# Allegro board REF_038HX-888005K4R-A100.brd (continued)
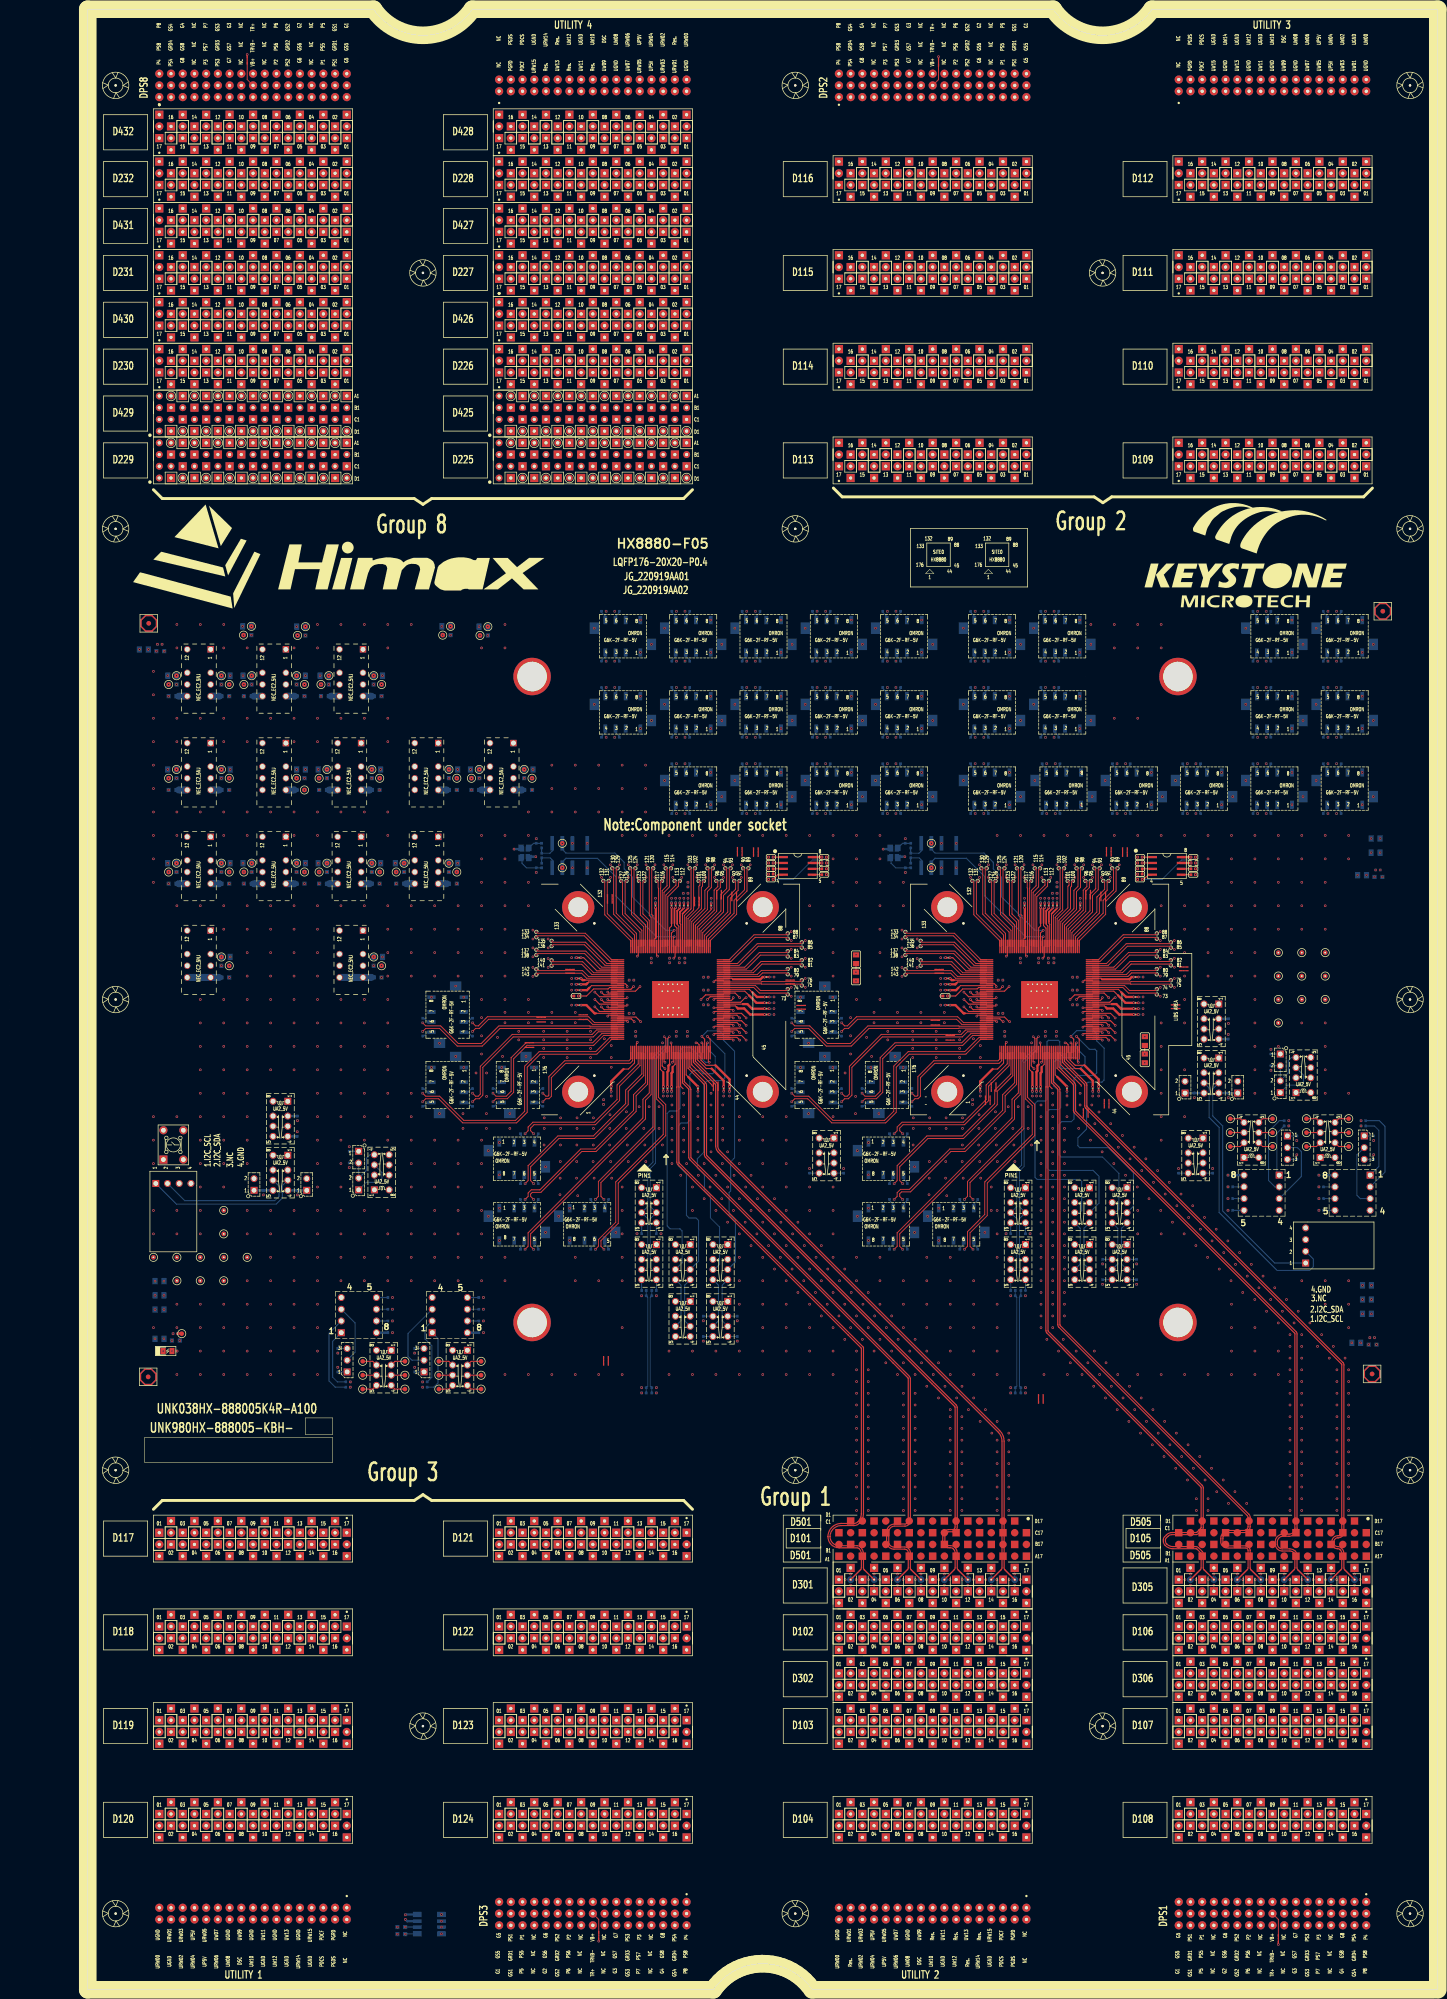
[diagram p0: board, top side]
## Nets (continued)
D30105: D301.05
D30106: D301.06 SITE1.29(RXD1P)
D30107: D301.07
D30108: D301.08 SITE1.30(RXD1N)
D30109: D301.09
D30110: D301.10 SITE1.32(RXD2P)
D30111: D301.11
D30112: D301.12 SITE1.33(RXD2N)
D30113: D301.13
D30114: D301.14 SITE1.35(RXD3P)
D30115: D301.15
D30116: D301.16 SITE1.36(RXD3N)
D30201: D302.01
D30202: D302.02
D30203: D302.03
D30204: D302.04
D30205: D302.05
D30206: D302.06
D30207: D302.07
D30208: D302.08
D30209: D302.09
D30210: D302.10
D30211: D302.11
D30212: D302.12
D30213: D302.13
D30214: D302.14
D30215: D302.15
D30216: D302.16
D30501: D305.01
D30502: D305.02 SITE2.26(RXD0P)
D30503: D305.03
D30504: D305.04 SITE2.27(RXD0N)
D30505: D305.05
D30506: D305.06 SITE2.29(RXD1P)
D30507: D305.07
D30508: D305.08 SITE2.30(RXD1N)
D30509: D305.09
D30510: D305.10 SITE2.32(RXD2P)
D30511: D305.11
D30512: D305.12 SITE2.33(RXD2N)
D30513: D305.13
D30514: D305.14 SITE2.35(RXD3P)
D30515: D305.15
D30516: D305.16 SITE2.36(RXD3N)
D30601: D306.01
D30602: D306.02
D30603: D306.03
D30604: D306.04
D30605: D306.05
D30606: D306.06
D30607: D306.07
D30608: D306.08
D30609: D306.09
D30610: D306.10
D30611: D306.11
D30612: D306.12
D30613: D306.13
D30614: D306.14
D30615: D306.15
D30616: D306.16
DPS1_C1: DPS1.C01
DPS1_C5: DPS1.C05
DPS1_C11: DPS1.C11
DPS1_C15: DPS1.C15
DPS2_C1: DPS2.C01
DPS2_C5: DPS2.C05
DPS2_C11: DPS2.C11
DPS2_C15: DPS2.C15
DPS3_C1: DPS3.C01
DPS3_C5: DPS3.C05
DPS3_C11: DPS3.C11
DPS3_C15: DPS3.C15
DPS8_C1: DPS8.C01
DPS8_C5: DPS8.C05
DPS8_C11: DPS8.C11
DPS8_C15: DPS8.C15
MSDPS1_1F: DPS1.C03
MSDPS1_1GRD: DPS1.B02
MSDPS1_1GS: DPS1.A02
MSDPS1_1S: DPS1.C02
MSDPS1_2F: DPS1.C07
MSDPS1_2GRD: DPS1.B06
MSDPS1_2GS: DPS1.A06
MSDPS1_2S: DPS1.C06
MSDPS1_3F: DPS1.C13
MSDPS1_3GRD: DPS1.B12
MSDPS1_3GS: DPS1.A12
MSDPS1_3S: DPS1.C12
MSDPS1_4F: DPS1.C17
MSDPS1_4GRD: DPS1.B16
MSDPS1_4GS: DPS1.A16
MSDPS1_4S: DPS1.C16
MSDPS1_5F: DPS1.A03
MSDPS1_5GS: DPS1.B01
MSDPS1_5S: DPS1.B03
MSDPS1_6F: DPS1.A07
MSDPS1_6GS: DPS1.B05
MSDPS1_6S: DPS1.B07
MSDPS1_7F: DPS1.A13
MSDPS1_7GS: DPS1.B11
MSDPS1_7S: DPS1.B13
MSDPS1_8F: DPS1.A17
MSDPS1_8GS: DPS1.B15
MSDPS1_8S: DPS1.B17
MSDPS1_TR+: DPS1.A09
MSDPS1_TRVB-: DPS1.B09 SB1.2
MSDPS1_VB+: DPS1.C09
MSDPS2_1F: DPS2.C03
MSDPS2_1GRD: DPS2.B02
MSDPS2_1GS: DPS2.A02
MSDPS2_1S: DPS2.C02
MSDPS2_2F: DPS2.C07
MSDPS2_2GRD: DPS2.B06
MSDPS2_2GS: DPS2.A06
MSDPS2_2S: DPS2.C06
MSDPS2_3F: DPS2.C13
MSDPS2_3GRD: DPS2.B12
MSDPS2_3GS: DPS2.A12
MSDPS2_3S: DPS2.C12
MSDPS2_4F: DPS2.C17
MSDPS2_4GRD: DPS2.B16
MSDPS2_4GS: DPS2.A16
MSDPS2_4S: DPS2.C16
MSDPS2_5F: DPS2.A03
MSDPS2_5GS: DPS2.B01
MSDPS2_5S: DPS2.B03
MSDPS2_6F: DPS2.A07
MSDPS2_6GS: DPS2.B05
MSDPS2_6S: DPS2.B07
MSDPS2_7F: DPS2.A13
MSDPS2_7GS: DPS2.B11
MSDPS2_7S: DPS2.B13
MSDPS2_8F: DPS2.A17
MSDPS2_8GS: DPS2.B15
MSDPS2_8S: DPS2.B17
MSDPS2_TR+: DPS2.A09
MSDPS2_TRVB-: DPS2.B09 SB2.2
MSDPS2_VB+: DPS2.C09
MSDPS3_1F: DPS3.C03
MSDPS3_1GRD: DPS3.B02
MSDPS3_1GS: DPS3.A02
MSDPS3_1S: DPS3.C02
MSDPS3_2F: DPS3.C07
MSDPS3_2GRD: DPS3.B06
MSDPS3_2GS: DPS3.A06
MSDPS3_2S: DPS3.C06
MSDPS3_3F: DPS3.C13
MSDPS3_3GRD: DPS3.B12
MSDPS3_3GS: DPS3.A12
MSDPS3_3S: DPS3.C12
MSDPS3_4F: DPS3.C17
MSDPS3_4GRD: DPS3.B16
MSDPS3_4GS: DPS3.A16
MSDPS3_4S: DPS3.C16
MSDPS3_5F: DPS3.A03
MSDPS3_5GS: DPS3.B01
MSDPS3_5S: DPS3.B03
MSDPS3_6F: DPS3.A07
MSDPS3_6GS: DPS3.B05
MSDPS3_6S: DPS3.B07
MSDPS3_7F: DPS3.A13
MSDPS3_7GS: DPS3.B11
MSDPS3_7S: DPS3.B13
MSDPS3_8F: DPS3.A17
MSDPS3_8GS: DPS3.B15
MSDPS3_8S: DPS3.B17
MSDPS3_TR+: DPS3.A09
MSDPS3_TRVB-: DPS3.B09 SB3.2
MSDPS3_VB+: DPS3.C09
MSDPS8_1F: DPS8.C03
MSDPS8_1GRD: DPS8.B02
MSDPS8_1GS: DPS8.A02
MSDPS8_1S: DPS8.C02
MSDPS8_2F: DPS8.C07
MSDPS8_2GRD: DPS8.B06
MSDPS8_2GS: DPS8.A06
MSDPS8_2S: DPS8.C06
MSDPS8_3F: DPS8.C13
MSDPS8_3GRD: DPS8.B12
MSDPS8_3GS: DPS8.A12
MSDPS8_3S: DPS8.C12
MSDPS8_4F: DPS8.C17
MSDPS8_4GRD: DPS8.B16
MSDPS8_4GS: DPS8.A16
MSDPS8_4S: DPS8.C16
MSDPS8_5F: DPS8.A03
MSDPS8_5GS: DPS8.B01
MSDPS8_5S: DPS8.B03
MSDPS8_6F: DPS8.A07
MSDPS8_6GS: DPS8.B05
MSDPS8_6S: DPS8.B07
MSDPS8_7F: DPS8.A13
MSDPS8_7GS: DPS8.B11
MSDPS8_7S: DPS8.B13
MSDPS8_8F: DPS8.A17
MSDPS8_8GS: DPS8.B15
MSDPS8_8S: DPS8.B17
MSDPS8_TR+: DPS8.A09
MSDPS8_TRVB-: DPS8.B09 SB8.2
MSDPS8_VB+: DPS8.C09
S1_1AUX+: K9.4 R129.1
S1_1AUX-: K9.5 R130.1
S1_1SPI_CSN: K15.5 K19.6
S1_1SPI_SCK: K15.4 K19.3
S1_1SPI_SDI: K14.5 K20.6
S1_1SPI_SDO: K14.4 K20.3
S1_2AUX+: C3.1 R1.2 R3.1 R129.2
S1_2AUX-: C4.1 R2.2 R4.2 R130.2
S1_AUXCH+: K9.3 K12.3 SITE1.21(AUXCHP)
S1_AUXCH-: K9.6 K12.6 SITE1.20(AUXCHN)
S1_ISP_1LOCK: K33.3 R118.2
S1_SPI_1_CSN: K19.7 R87.1 U1.1(CS#)
S1_SPI_1_SCK: K19.2 R91.1 U1.6(SCLK)
S1_SPI_1_SDI: K20.7 R127.1
S1_SPI_1_SDO: K20.2 R125.1
S1_SPI_2_CSN: K19.5 R94.1 U2.1(CS#)
S1_SPI_2_SCK: K19.4 R98.1 U2.6(SCLK)
S1_SPI_2_SDI: K20.5 R128.1
S1_SPI_2_SDO: K20.4 R126.1
S1_SPI_11_SDI: R88.1 R127.2 U1.2(SO)
S1_SPI_11_SDO: R92.1 R125.2 U1.5(SI)
S1_SPI_22_SDI: R95.1 R128.2 U2.2(SO)
S1_SPI_22_SDO: R99.1 R126.2 U2.5(SI)
S1_SPI_CSN: K15.6 SITE1.43(SPI_CSN)
S1_SPI_SCK: K15.3 SITE1.42(SPI_SCK)
S1_SPI_SDI: K14.6 SITE1.44(SPI_SDI)
S1_SPI_SDO: K14.3 SITE1.41(SPI_SDO)
S1_XTAL_IN: K18.3 SITE1.109(XTAL_IN) TP_XTAL_IN.1(TP)
S1_XTAL_OUT: K18.6 SITE1.110(XTAL_OUT) TP_XTAL_OUT.1(TP)
S2_1AUX+: UNK2K9.4 UNK2R129.1
S2_1AUX-: UNK2K9.5 UNK2R130.1
S2_1SPI_CSN: UNK2K15.5 UNK2K19.6
S2_1SPI_SCK: UNK2K15.4 UNK2K19.3
S2_1SPI_SDI: UNK2K14.5 UNK2K20.6
S2_1SPI_SDO: UNK2K14.4 UNK2K20.3
S2_2AUX+: UNK2C3.1 UNK2R1.2 UNK2R3.1 UNK2R129.2
S2_2AUX-: UNK2C4.1 UNK2R2.2 UNK2R4.2 UNK2R130.2
S2_AUXCH+: SITE2.21(AUXCHP) UNK2K9.3 UNK2K12.3
S2_AUXCH-: SITE2.20(AUXCHN) UNK2K9.6 UNK2K12.6
S2_ISP_1LOCK: UNK2K33.3 UNK2R118.2
S2_SPI_1_CSN: UNK2K19.7 UNK2R87.1 UNK2U1.1
S2_SPI_1_SCK: UNK2K19.2 UNK2R91.1 UNK2U1.6
S2_SPI_1_SDI: UNK2K20.7 UNK2R127.1
S2_SPI_1_SDO: UNK2K20.2 UNK2R125.1
S2_SPI_2_CSN: UNK2K19.5 UNK2R94.1 UNK2U2.1
S2_SPI_2_SCK: UNK2K19.4 UNK2R98.1 UNK2U2.6
S2_SPI_2_SDI: UNK2K20.5 UNK2R128.1
S2_SPI_2_SDO: UNK2K20.4 UNK2R126.1
S2_SPI_11_SDI: UNK2R88.1 UNK2R127.2 UNK2U1.2
S2_SPI_11_SDO: UNK2R92.1 UNK2R125.2 UNK2U1.5
S2_SPI_22_SDI: UNK2R95.1 UNK2R128.2 UNK2U2.2
S2_SPI_22_SDO: UNK2R99.1 UNK2R126.2 UNK2U2.5
S2_SPI_CSN: SITE2.43(SPI_CSN) UNK2K15.6
S2_SPI_SCK: SITE2.42(SPI_SCK) UNK2K15.3
S2_SPI_SDI: SITE2.44(SPI_SDI) UNK2K14.6
S2_SPI_SDO: SITE2.41(SPI_SDO) UNK2K14.3
S2_XTAL_IN: SITE2.109(XTAL_IN) UNK2K18.3 UNK2TP_XTAL_IN.1
S2_XTAL_OUT: SITE2.110(XTAL_OUT) UNK2K18.6 UNK2TP_XTAL_OUT.1
SK1_2: SK1.2 SK1_2.1(TP)
SK1_3: SK1.3 SK1_3.1(TP)
SK1_4: SK1.4 SK1_4.1(TP)
SK1_5: SK1.5 SK1_5.1(TP)
SK1_6: SK1.6 SK1_6.1(TP)
SK1_7: SK1.7 SK1_7.1(TP)
SK2_2: SK2.2 SK2_2.1(TP)
SK2_3: SK2.3 SK2_3.1(TP)
SK2_4: SK2.4 SK2_4.1(TP)
SK2_5: SK2.5 SK2_5.1(TP)
SK2_6: SK2.6 SK2_6.1(TP)
SK2_7: SK2.7 SK2_7.1(TP)
UDBGND: BD29.2 BD30.2 BD31.2 BD32.2 BD33.2 BD34.2 BD35.2 BD36.2 BD37.2 BD38.2 BD39.2 BD40.2 CB1.2 CB2.2 CB3.2 CB4.2 CB5.2 CB6.2 CB7.2 CB8.2 CB19.1 LD902.2(B) UB1.1(A0) UB1.2(A1) UB1.3(A2) UB1.4(GND) UB1.7(WP) UTL1.A02 UTL1.A08 UTL1.A10 UTL1.A12 UTL1.A14 UTL1.B01 UTL1.B07 UTL1.B09 UTL1.B11 UTL1.B13 UTL2.A02 UTL2.A08 UTL2.A10 UTL2.A12 UTL2.A14 UTL2.B01 UTL2.B07 UTL2.B09 UTL2.B11 UTL2.B13 UTL3.A02 UTL3.A08 UTL3.A10 UTL3.A12 UTL3.A14 UTL3.B01 UTL3.B07 UTL3.B09 UTL3.B11 UTL3.B13 UTL4.A02 UTL4.A08 UTL4.A10 UTL4.A12 UTL4.A14 UTL4.B01 UTL4.B07 UTL4.B09 UTL4.B11 UTL4.B13
UT1_PDCF: UTL1.B15
UT1_PDCS: UTL1.A15
UT1_PGDS: UTL1.A16
UT1_PGRD: UTL1.B16
UT1_UP5V: BR902.1 CB1.1 CB2.1 CB3.1 CB4.1 CB5.1 CB6.1 CB7.1 CB8.1 CB19.2 CT1.2 K1.1(V+) K2.1(V+) K3.1(V+) K4.1(V+) K5.1(V+) K6.1(V+) K7.1(V+) K8.1(V+) K9.1(V+) K10.1(V+) K11.1(V+) K12.1(V+) K13.1(V+) K14.1(V+) K15.1(V+) K16.1(V+) K17.1(V+) K18.1(V+) K19.1(V+) K20.1(V+) K21.1(V+) K22.1(V+) K23.1(V+) K24.1(V+) K25.1(V+) K26.1(V+) K27.1(V+) K28.1(V+) K29.1(V+) K30.1(V+) K31.1(V+) K33.1(V+) K34.1(V+) K36.1(V+) K37.1(V+) K39.1(V+) K40.1(V+) K42.1(V+) RB1.1 RB2.1 RT1.1 RT2.1 RT5.2 RT6.2 RT7.1 RT8.1 SK1.1(V+) SK2.1(V+) UB1.8(VCC) UNK2CT1.2 UNK2K1.1 UNK2K2.1 UNK2K3.1 UNK2K4.1 UNK2K5.1 UNK2K6.1 UNK2K7.1 UNK2K8.1 UNK2K9.1 UNK2K10.1 UNK2K11.1 UNK2K12.1 UNK2K13.1 UNK2K14.1 UNK2K15.1 UNK2K16.1 UNK2K17.1 UNK2K18.1 UNK2K19.1 UNK2K20.1 UNK2K21.1 UNK2K22.1 UNK2K23.1 UNK2K24.1 UNK2K25.1 UNK2K26.1 UNK2K27.1 UNK2K28.1 UNK2K29.1 UNK2K30.1 UNK2K31.1 UNK2K33.1 UNK2K34.1 UNK2K36.1 UNK2K37.1 UNK2K39.1 UNK2K40.1 UNK2K42.1 UNK2RT1.1 UNK2RT2.1 UNK2RT5.2 UNK2RT6.2 UNK2RT7.1 UNK2RT8.1 UNK2SK1.1 UNK2SK2.1 UNK2UT1.8 UT1.8(VDD) UT_UP5V.1(TP) UTL1.A05 UTL1.B04 UTL2.A05 UTL2.B04 UTL3.A05 UTL3.B04 UTL4.A05 UTL4.B04
UT1_URW00: K13.8(V-) UTL1.A01
UT1_URW01: K28.8(V-) UTL1.B02
UT1_URW02: K14.8(V-) UTL1.A03
UT1_URW03: K33.8(V-) UTL1.B03
UT1_URW04: K20.8(V-) UTL1.A04
UT1_URW05: K10.8(V-) UTL1.B05
UT1_URW06: K15.8(V-) UTL1.A06
UT1_UW07: SK2.8(V-) UTL1.B06
UT1_UW08: K19.8(V-) UTL1.A07
UT1_UW09: K25.8(V-) K27.8(V-) UTL1.B08
UT1_UW10: K9.8(V-) UTL1.A09
UT1_UW11: K26.8(V-) UTL1.B10
UT1_UW12: K12.8(V-) UTL1.A11
UT1_UW13: SK1.8(V-) UTL1.B12
UT1_UW14: K23.8(V-) UTL1.A13
UT1_UW15: K22.8(V-) K24.8(V-) UTL1.B14
UT2_PDCF: UTL2.B15
UT2_PDCS: UTL2.A15
UT2_PGDS: UTL2.A16
UT2_PGRD: UTL2.B16
UT2_URW00: UNK2SK2.8 UTL2.A01
UT2_URW01: UNK2K25.8 UNK2K27.8 UTL2.B02
UT2_URW02: UNK2K10.8 UTL2.A03
UT2_URW03: UNK2K26.8 UTL2.B03
UT2_URW04: UNK2SK1.8 UTL2.A04
UT2_URW05: UNK2K22.8 UNK2K24.8 UTL2.B05
UT2_URW06: UNK2K33.8 UTL2.A06
UT2_UW07: UNK2K23.8 UTL2.B06
UT2_UW08: UNK2K28.8 UTL2.A07
UT2_UW09: UNK2K9.8 UTL2.B08
UT2_UW10: UNK2K13.8 UTL2.A09
UT2_UW11: UNK2K12.8 UTL2.B10
UT2_UW12: UNK2K14.8 UTL2.A11
UT2_UW13: UNK2K19.8 UTL2.B12
UT2_UW14: UNK2K20.8 UTL2.A13
UT2_UW15: UNK2K15.8 UTL2.B14
UT3_PDCF: UTL3.B15
UT3_PDCS: UTL3.A15
UT3_PGDS: UTL3.A16
UT3_PGRD: UTL3.B16
UT3_URW00: K30.8(V-) UTL3.A01
UT3_URW01: UNK2K3.8 UNK2K4.8 UTL3.B02
UT3_URW02: K21.8(V-) K29.8(V-) UTL3.A03
UT3_URW03: UNK2K1.8 UNK2K2.8 UTL3.B03
UT3_URW04: K16.8(V-) K17.8(V-) UTL3.A04
UT3_URW05: UNK2K5.8 UNK2K6.8 UTL3.B05
UT3_URW06: K7.8(V-) UTL3.A06
UT3_UW07: UNK2K7.8 UTL3.B06
UT3_UW08: K8.8(V-) K11.8(V-) UTL3.A07
UT3_UW09: UNK2K8.8 UNK2K11.8 UTL3.B08
UT3_UW10: K5.8(V-) K6.8(V-) UTL3.A09
UT3_UW11: UNK2K16.8 UNK2K17.8 UTL3.B10
UT3_UW12: K3.8(V-) K4.8(V-) UTL3.A11
UT3_UW13: UNK2K30.8 UTL3.B12
UT3_UW14: K1.8(V-) K2.8(V-) UTL3.A13
UT3_UW15: UNK2K21.8 UNK2K29.8 UTL3.B14
UT4_PDCF: UTL4.B15
UT4_PDCS: UTL4.A15
UT4_PGDS: UTL4.A16
UT4_PGRD: UTL4.B16
UT4_URW00: UNK2K37.12 UTL4.A01
UT4_URW01: UNK2K39.12 UTL4.B02
UT4_URW02: UNK2K42.12 UTL4.A03
UT4_URW03: UNK2K36.12 UTL4.B03
UT4_URW04: UNK2K34.12 UTL4.A04
UT4_URW05: UNK2K31.12 UTL4.B05
UT4_URW06: UNK2K40.12 UTL4.A06
UT4_UW07: UNK2K18.8 UTL4.B06
UT4_UW08: K37.12(V-) UTL4.A07
UT4_UW09: K18.8(V-) UTL4.B08
UT4_UW10: K39.12(V-) UTL4.A09
UT4_UW11: K34.12(V-) UTL4.B10
UT4_UW12: K42.12(V-) UTL4.A11
UT4_UW13: K40.12(V-) UTL4.B12
UT4_UW14: K36.12(V-) UTL4.A13
UT4_UW15: K31.12(V-) UTL4.B14
N23628089: BR902.2 LD902.1(A)
N24574244: J2.1 R89.1
N24574268: J3.1 R96.1
N24574272: J3.3 R93.1
N24574311: R90.1 U1.7(HOLD#)
N24574358: J2.2 U1.3(WP#)
N24574376: R97.1 U2.7(HOLD#)
N24574426: J3.2 U2.3(WP#)
N24574578: J2.3 R86.1
N24632959: J1.2 K10.4 R85.2 S1_RST_N.2 SW1.3 SW1.4
N24632988: C7.1 J1.1
N24641483: K25.3 R55.2
N24641485: K25.4 R56.1
N24641487: K25.6 R57.2
N24641489: K25.5 R58.1
N24641552: K26.3 R59.2
N24641554: K26.4 R60.1
N24641556: K26.6 R61.2
N24641558: K26.5 R62.1
N24641612: K27.5 R66.1
N24641614: K27.6 R65.2
N24642432: K22.6 R45.2
N24642434: K22.5 R46.1
N24642442: K23.3 R47.2
N24642444: K23.4 R48.1
N24642446: K23.6 R49.2
N24642448: K23.5 R50.1
N24642468: K24.3 R51.2
N24642486: K24.4 R52.1
N24642488: K24.6 R53.2
N24642490: K24.5 R54.1
N24780353: K12.4 R131.1
N24780370: K12.5 R132.1
N24787993: CA21.1 K34.5
N24789529: CA23.1 K36.5 K36.8
N24789779: CA24.1 K37.5
N24793751: RT3.1 RT5.1 UT1.3(A0)
N24793759: RT4.1 RT6.1 UT1.4(A1)
N24793795: RT7.2 UT1.6(CT)
N24793797: RT8.2 UT1.5(INT)
N25306310: K22.3 R102.2
N25306320: K22.4 R103.1
N25306354: K27.3 R104.2
N25306364: K27.4 R105.1
N25330426: CA29.1 K42.5
N25334489: CA26.1 K39.5
N25337760: CA34.1 K31.5
N25339188: CA27.1 K40.5
N25362248: K33.2 R82.1
N25362250: K33.4 R117.1
N25362465: K11.3 R39.2
N25362471: K11.4 R40.1
N25362509: K8.5 R38.1
N25362552: K8.3 R35.2
N25362554: K8.4 R36.1
N25362556: K8.6 R37.2
N25362573: K11.6 R41.2
N25362575: K11.5 R42.1
N25362658: K3.5 R18.1
N25362663: K3.6 R17.2
N25362668: K3.4 R16.1
N25362670: K3.3 R15.2
N25362705: K1.5 R10.1
N25362707: K1.6 R9.2
N25362709: K1.4 R8.1
N25362711: K1.3 R7.2
N25362734: K2.3 R11.2
N25362739: K2.4 R12.1
N25362741: K4.5 R22.1
N25362761: K4.3 R19.2
N25362763: K4.4 R20.1
N25362765: K4.6 R21.2
N25362815: K5.5 R26.1
N25362863: K5.3 R23.2
N25362865: K5.4 R24.1
N25362867: K5.6 R25.2
N25363066: K16.3 R67.2
N25363068: K16.4 R68.1
N25363070: K16.5 R70.1
N25363072: K16.6 R69.2
N25363098: K17.3 R71.2
N25363100: K17.4 R72.1
N25363118: K17.5 R74.1
N25363120: K17.6 R73.2
N25363130: K21.3 R75.2
N25363148: K21.4 R76.1
N25363150: K21.5 R78.1
N25363152: K21.6 R77.2
N25363178: K29.3 R79.2
N25363180: K29.4 R80.1
N25363198: K2.5 R14.1
N25363200: K2.6 R13.2
N25363358: K29.6 R43.2
N25363360: K29.5 R44.1
N25363376: K30.3 R63.2
N25363378: K30.4 R64.1
N25363404: K30.5 R101.1
N25363406: K30.6 R100.2
N25363469: K6.5 R30.1
N25363533: K6.3 R27.2
N25363535: K6.4 R28.1
N25363537: K6.6 R29.2
N25363539: K7.5 R34.1
N25363555: K7.3 R31.2
N25363557: K7.4 R32.1
N25363559: K7.6 R33.2
N25363681: K18.4 R5.1 R6.2
N25363685: K18.5 R6.1 R133.1
N25363701: C5.1 R133.2 Y1.1 Y2.1
N25363703: C6.1 R5.2 Y1.3 Y2.3
N25363863: K13.5 R120.2
N25363865: K13.4 R119.2
N25363959: J5.1 K28.5 R84.2
N25363975: J4.1 K28.4 R83.2
N25462044: CA37.1 K39.8
N25462912: CA40.1 K42.8
N25463486: CA28.1 K40.8
N25464528: CA25.1 K37.8
N25465136: CA22.1 K34.8
N25611014: UNK2J1.2 UNK2K10.4 UNK2R85.2 UNK2S1_RST_N.2
N25611025: UNK2C7.1 UNK2J1.1
N25611039: UNK2K25.3 UNK2R55.2
N25611040: UNK2K25.4 UNK2R56.1
N25611041: UNK2K25.6 UNK2R57.2
N25611042: UNK2K25.5 UNK2R58.1
N25611050: UNK2K26.3 UNK2R59.2
N25611051: UNK2K26.4 UNK2R60.1
N25611052: UNK2K26.6 UNK2R61.2
N25611053: UNK2K26.5 UNK2R62.1
N25611061: UNK2K27.5 UNK2R66.1
N25611062: UNK2K27.6 UNK2R65.2
N25611083: UNK2K22.6 UNK2R45.2
N25611084: UNK2K22.5 UNK2R46.1
N25611085: UNK2K23.3 UNK2R47.2
N25611086: UNK2K23.4 UNK2R48.1
N25611087: UNK2K23.6 UNK2R49.2
N25611088: UNK2K23.5 UNK2R50.1
N25611096: UNK2K24.3 UNK2R51.2
N25611097: UNK2K24.4 UNK2R52.1
N25611098: UNK2K24.6 UNK2R53.2
N25611099: UNK2K24.5 UNK2R54.1
N25611164: UNK2K12.4 UNK2R131.1
N25611166: UNK2K12.5 UNK2R132.1
N25611179: UNK2K22.3 UNK2R102.2
N25611180: UNK2K22.4 UNK2R103.1
N25611181: UNK2K27.3 UNK2R104.2
N25611182: UNK2K27.4 UNK2R105.1
N25611602: UNK2K33.2 UNK2R82.1
N25611603: UNK2K33.4 UNK2R117.1
N25611639: UNK2K11.3 UNK2R39.2
N25611640: UNK2K11.4 UNK2R40.1
N25611647: UNK2K8.5 UNK2R38.1
N25611655: UNK2K8.3 UNK2R35.2
N25611656: UNK2K8.4 UNK2R36.1
N25611657: UNK2K8.6 UNK2R37.2
N25611658: UNK2K11.6 UNK2R41.2
N25611659: UNK2K11.5 UNK2R42.1
N25611669: UNK2K3.5 UNK2R18.1
N25611670: UNK2K3.6 UNK2R17.2
N25611671: UNK2K3.4 UNK2R16.1
N25611672: UNK2K3.3 UNK2R15.2
N25611686: UNK2K1.5 UNK2R10.1
N25611687: UNK2K1.6 UNK2R9.2
N25611688: UNK2K1.4 UNK2R8.1
N25611689: UNK2K1.3 UNK2R7.2
N25611697: UNK2K2.3 UNK2R11.2
N25611700: UNK2K2.4 UNK2R12.1
N25611701: UNK2K4.5 UNK2R22.1
N25611709: UNK2K4.3 UNK2R19.2
N25611710: UNK2K4.4 UNK2R20.1
N25611711: UNK2K4.6 UNK2R21.2
N25611712: UNK2K5.5 UNK2R26.1
N25611720: UNK2K5.3 UNK2R23.2
N25611721: UNK2K5.4 UNK2R24.1
N25611722: UNK2K5.6 UNK2R25.2
N25611735: UNK2K16.3 UNK2R67.2
N25611736: UNK2K16.4 UNK2R68.1
N25611737: UNK2K16.5 UNK2R70.1
N25611738: UNK2K16.6 UNK2R69.2
N25611739: UNK2K17.3 UNK2R71.2
N25611740: UNK2K17.4 UNK2R72.1
N25611741: UNK2K17.5 UNK2R74.1
N25611742: UNK2K17.6 UNK2R73.2
N25611743: UNK2K21.3 UNK2R75.2
N25611744: UNK2K21.4 UNK2R76.1
N25611745: UNK2K21.5 UNK2R78.1
N25611746: UNK2K21.6 UNK2R77.2
N25611747: UNK2K29.3 UNK2R79.2
N25611748: UNK2K29.4 UNK2R80.1
N25611749: UNK2K2.5 UNK2R14.1
N25611750: UNK2K2.6 UNK2R13.2
N25611839: UNK2K29.6 UNK2R43.2
N25611840: UNK2K29.5 UNK2R44.1
N25611845: UNK2K30.3 UNK2R63.2
N25611846: UNK2K30.4 UNK2R64.1
N25611847: UNK2K30.5 UNK2R101.1
N25611848: UNK2K30.6 UNK2R100.2
N25611859: UNK2K6.5 UNK2R30.1
N25611867: UNK2K6.3 UNK2R27.2
N25611868: UNK2K6.4 UNK2R28.1
N25611869: UNK2K6.6 UNK2R29.2
N25611870: UNK2K7.5 UNK2R34.1
N25611878: UNK2K7.3 UNK2R31.2
N25611879: UNK2K7.4 UNK2R32.1
N25611880: UNK2K7.6 UNK2R33.2
N25611892: UNK2K18.4 UNK2R5.1 UNK2R6.2
N25611894: UNK2K18.5 UNK2R6.1 UNK2R133.1
N25611895: UNK2C5.1 UNK2R133.2 UNK2Y1.1 UNK2Y2.1
N25611896: UNK2C6.1 UNK2R5.2 UNK2Y1.3 UNK2Y2.3
N25611925: UNK2K13.5 UNK2R120.2
N25611926: UNK2K13.4 UNK2R119.2
N25611946: UNK2J5.1 UNK2K28.5 UNK2R84.2
N25611950: UNK2J4.1 UNK2K28.4 UNK2R83.2
N25615773: UNK2J2.1 UNK2R89.1
N25615777: UNK2J3.1 UNK2R96.1
N25615779: UNK2J3.3 UNK2R93.1
N25615786: UNK2R90.1 UNK2U1.7
N25615811: UNK2J2.2 UNK2U1.3
N25615820: UNK2R97.1 UNK2U2.7
N25615847: UNK2J3.2 UNK2U2.3
N25615858: UNK2J2.3 UNK2R86.1
N25616611: UNK2CA21.1 UNK2K34.5
N25616617: UNK2CA23.1 UNK2K36.5 UNK2K36.8
N25616622: UNK2CA24.1 UNK2K37.5
N25616748: UNK2CA29.1 UNK2K42.5
N25616755: UNK2CA26.1 UNK2K39.5
N25616834: UNK2CA34.1 UNK2K31.5
N25616842: UNK2CA27.1 UNK2K40.5
N25616987: UNK2CA37.1 UNK2K39.8
N25616993: UNK2CA40.1 UNK2K42.8
N25616997: UNK2CA28.1 UNK2K40.8
N25616999: UNK2CA25.1 UNK2K37.8
N25617005: UNK2CA22.1 UNK2K34.8
N25619537: UNK2RT3.1 UNK2RT5.1 UNK2UT1.3
N25619539: UNK2RT4.1 UNK2RT6.1 UNK2UT1.4
N25619557: UNK2RT7.2 UNK2UT1.6
N25619558: UNK2RT8.2 UNK2UT1.5

Pads without a net: CSDPS225 A17 B17 C17 D17; CSDPS229 A17 B17 C17 D17; CSDPS425 A17 B17 C17 D17; CSDPS429 A17 B17 C17 D17; D101/D501 A1 A2 A3 A4 A5 A6 A7 A8 A9 A10 A11 A12 A13 A14 A15 A16 A17 B1 B2 B3 B4 B5 B6 B7 B8 B9 B10 B11 B12 B13 B14 B15 B16 B17 C1 C2 C3 C4 C5 C6 C7 C8 C9 C10 C11 C12 C13 C14 C15 C16 C17 D2 D3 D4 D5 D6 D7 D8 D9 D10 D11 D12 D13 D14 D15 D16; D102 17 A17 B17; D103 17 A17 B17; D104 17 A17 B17; D105/D505 A1 A2 A3 A4 A5 A6 A7 A8 A9 A10 A11 A12 A13 A14 A15 A16 A17 B1 B2 B3 B4 B5 B6 B7 B8 B9 B10 B11 B12 B13 B14 B15 B16 B17 C1 C2 C3 C4 C5 C6 C7 C8 C9 C10 C11 C12 C13 C14 C15 C16 C17 D2 D3 D4 D5 D6 D7 D8 D9 D10 D11 D12 D13 D14 D15 D16; D106 17 A17 B17; D107 17 A17 B17; D108 17 A17 B17; D109 17 A17 B17; D110 17 A17 B17; D111 17 A17 B17; D112 17 A17 B17; D113 17 A17 B17; D114 17 A17 B17; D115 17 A17 B17; D116 17 A17 B17; D117 17 A17 B17; D118 17 A17 B17; D119 17 A17 B17; D120 17 A17 B17; D121 17 A17 B17; D122 17 A17 B17; D123 17 A17 B17; D124 17 A17 B17; D226 01 02 03 04 05 06 07 08 09 10 11 12 13 14 15 16 17; D227 01 02 03 04 05 06 07 08 09 10 11 12 13 14 15 16 17; D228 01 02 03 04 05 06 07 08 09 10 11 12 13 14 15 16 17; D230 01 02 03 05 06 07 08 09 10 11 12 13 14 15 16 17; D301 17 A17 B17; D302 17 A17 B17; D305 17 A17 B17; D306 17 A17 B17; D426 01 02 03 04 05 06 07 08 09 10 11 12 13 14 15 16 17; D427 01 02 03 04 05 06 07 08 09 10 11 12 13 14 15 16 17; D428 01 02 03 04 05 06 07 08 09 10 11 12 13 14 15 16 17; D430 01 02 03 04 05 06 07 08 09 10 11 12 13 14 15 16 17; DPS1 A04 A08 A10 A14 B04 B08 B10 B14 C04 C08 C10 C14; DPS2 A04 A08 A10 A14 B04 B08 B10 B14 C04 C08 C10 C14; DPS3 A04 A08 A10 A14 B04 B08 B10 B14 C04 C08 C10 C14; DPS8 A04 A08 A10 A14 B04 B08 B10 B14 C04 C08 C10 C14; FD1 1; FD2 1; FD3 1; FD4 1; FD5 1; FD6 1; FD7 1; FD8 1; HX8880-F05 1; JG_220919AA01 1; JG_220919AA02 1; K1 2 7; K2 2 7; K3 2 7; K4 2 7; K5 2 7; K6 2 7; K7 2 7; K8 2 7; K10 2 5 6 7; K11 2 7; K12 2 7; K13 2 7; K16 2 7; K17 2 7; K21 2 7; K22 2 7; K23 2 7; K24 2 7; K25 2 7; K26 2 7; K27 2 7; K28 2 7; K29 2 7; K30 2 7; K31 3 8 9 10; K33 5 6 7; K34 3 10; K36 3 10; K37 3 10; K39 3 10; K40 3 10; K42 3 10; LOGO1 1; LOGO2 1; LQFP176-20X20-P0.4 1; S1_I2C 3; SCREW1 GH1 GH2 GH3 GH4; SITE1 NUT1 NUT2 NUT3 NUT4; SITE2 NUT1 NUT2 NUT3 NUT4; SKB1 NUT1 NUT2 NUT3 NUT4; TPL1 1; TPL2 1; TPL3 1; TPL4 1; TPL5 1; TPL6 1; TPL7 1; TPL8 1; TPL9 1; TPL10 1; TPL11 1; TPL12 1; TPL13 1; TPL14 1; TPL15 1; TPL16 1; TPL17 1; TPL18 1; TPL19 1; TPL20 1; UNK2K1 2 7; UNK2K2 2 7; UNK2K3 2 7; UNK2K4 2 7; UNK2K5 2 7; UNK2K6 2 7; UNK2K7 2 7; UNK2K8 2 7; UNK2K10 2 5 6 7; UNK2K11 2 7; UNK2K12 2 7; UNK2K13 2 7; UNK2K16 2 7; UNK2K17 2 7; UNK2K21 2 7; UNK2K22 2 7; UNK2K23 2 7; UNK2K24 2 7; UNK2K25 2 7; UNK2K26 2 7; UNK2K27 2 7; UNK2K28 2 7; UNK2K29 2 7; UNK2K30 2 7; UNK2K31 3 8 9 10; UNK2K33 5 6 7; UNK2K34 3 10; UNK2K36 3 10; UNK2K37 3 10; UNK2K39 3 10; UNK2K40 3 10; UNK2K42 3 10; UNK2S1_I2C 3; UNK038HX-888005K4R-A100 1; UNK980HX-888005-KBH- 1; UTL1 A17 B17; UTL2 A17 B17; UTL3 A17 B17; UTL4 A17 B17

## Via types
v1: diameter 0.559, hole 0.305, TOP to BOTTOM, 2072 vias
v2: diameter 0.508, hole 0.305, TOP to BOTTOM, 286 vias
v3: diameter 0.559, hole 0.308, TOP to BOTTOM, 8 vias

## Routing (per net, layer and track width the routed paths; a pad name or vN(x,y) marks a point on that pad's centre or on a via; arc(x,y) is an arc through that point)
AGND: length 359.1
  TOP w0.203: SB2.1 v1(184.42,418.97) ; SB1.1 v1(258.08,9.83) ; SB3.1 v1(110.76,10.54) ; SB8.1 v1(34.56,419.44)
  TOP w0.231: v1(127.03,223.59) 127.32,223.88 SITE1.108 ; v1(135.72,212.83) SITE1.62 ; 135.35,195.81 135.35,196.05 130.92,200.48 SITE1.34 ; v1(207.03,223.59) 207.32,223.88 SITE2.108 ; v1(196.92,217.43) 196.92,217.67 196.56,218.03 SITE2.146 ; SITE2.34 210.92,200.48 215.35,196.05 215.35,195.81 ; SITE2.38 212.52,204.83 212.12,205.23 v1(211.85,205.23) ; SITE2.28 208.52,195.82 209.05,195.29 ; v1(131.85,205.23) 132.12,205.23 132.52,204.83 SITE1.38 ; SITE1.28 128.52,195.82 129.05,195.29 ; v1(215.72,212.83) SITE2.62 ; SITE2.128 199.32,224.23 v1(199.12,224.03) ; v1(126.45,205.23) 126.52,205.16 SITE1.23 ; v1(119.12,224.03) 119.32,224.23 SITE1.128 ; SITE1.146 116.56,218.03 116.92,217.67 v1(116.92,217.43) ; SITE2.4 198.92,205.03 199.12,205.23 v1(199.12,205.36) ; v1(206.45,205.23) 206.52,205.16 SITE2.23 ; v1(119.12,205.36) 119.12,205.23 118.92,205.03 SITE1.4
  TOP w0.381: CD16.2 v1(129.21,235.56) ; UNK2CD25.2 v1(185.91,219.2) ; UNK2CC28.2 v1(227.73,219.5) ; CD12.2 v1(123.06,235.56) ; CC28.2 v1(147.73,219.5) ; UNK2CD5.2 v1(205.66,194.73) ; UNK2CD15.2 v1(227.73,215.18) ; CD15.2 v1(147.73,215.18) ; UNK2CD9.2 v1(212.26,194.73) ; UNK2CD8.2 v1(206.55,194.73) ; CD18.2 v1(147.73,213.91) ; CD6.2 v1(130.1,235.56) ; CD14.2 v1(126.54,235.56) ; CD9.2 v1(132.26,194.73) ; UNK2CD17.2 v1(185.91,217.93) ; UNK2CD13.2 v1(208.32,235.56) ; CD13.2 v1(128.32,235.56) ; UNK2CD4.2 v1(185.91,216.66) ; UNK2CD11.2 v1(215.14,235.56) ; UNK2CD20.2 v1(227.73,211.37) ; CD5.2 v1(125.66,194.73) ; CD25.2 v1(105.91,219.2) ; CD8.2 v1(126.55,194.73) ; UNK2CD7.2 v1(227.73,212.64) ; CD11.2 v1(135.14,235.56) ; UNK2CD21.2 v1(217.85,194.73) ; CD24.2 v1(105.91,223.69) ; CD19.2 v1(105.91,213.41) ; UNK2CD19.2 v1(185.91,213.41) ; CD4.2 v1(105.91,216.66) ; UNK2CD16.2 v1(209.21,235.56) ; UNK2CD6.2 v1(210.1,235.56) ; UNK2CD1.2 v1(193.47,194.73) ; UNK2CD24.2 v1(185.91,223.69) ; CD1.2 v1(113.47,194.73) ; CD23.2 v1(139.12,194.73) ; CD7.2 v1(147.73,212.64) ; UNK2CD18.2 v1(227.73,213.91) ; CD17.2 v1(105.91,217.93) ; UNK2CD14.2 v1(206.54,235.56) ; CD3.2 v1(127.43,235.56) ; CD20.2 v1(147.73,211.37) ; UNK2CD12.2 v1(203.06,235.56) ; UNK2CD3.2 v1(207.43,235.56) ; UNK2CD23.2 v1(219.12,194.73) ; UNK2CD22.2 v1(204.77,194.73) ; CD21.2 v1(137.85,194.73) ; CD22.2 v1(124.77,194.73)
  TOP w0.508: UNK2UT1.7 v1(239.13,244.22) ; UT1.7 v1(159.13,244.22)
  L09_POWER w0.203: 2SH6.1 234.36,213.47 v1(232.49,215.34) ; SH6.1 153.44,213.34 153.26,213.53 153.26,214.57 v1(152.49,215.34) ; v1(235.53,221.63) 235.58,221.67 2SH11.1 ; SH26.1 105.65,220.34 105.91,220.08 v1(105.91,219.2) ; v1(152.49,221.63) 152.21,221.91 151.22,221.91 150.86,221.55 150.86,219.12 151.15,218.83 SH11.1 ; 2SH26.1 185.63,220.34 185.91,220.05 185.91,219.2 v1(185.91,219.2)
  L11_POWER w0.203: SH24.1 136.33,236.03 135.85,235.56 v1(135.14,235.56) ; v1(111.98,206.12) 111.61,206.49 111.61,209.48 110.8,210.29 SH28.1 ; v1(199.12,205.36) 196.84,205.36 195.61,204.12 2SH28.1 ; v1(207.03,223.59) 207.18,223.43 207.18,221.75 207.46,221.47 213.25,221.47 215.85,224.07 215.85,231.68 219.61,235.44 2SH17.1 ; SH17.1 139.61,235.44 135.85,231.68 135.85,224.07 133.25,221.47 127.46,221.47 127.18,221.75 127.18,223.43 v1(127.03,223.59) ; 2SH24.1 216.33,236.03 215.85,235.56 v1(215.14,235.56)
  L14_POWER w0.203: v1(143.6,243.82) 144.32,244.54 SH15.1 ; 2SH13.1 220.82,245.47 219.74,244.39 v1(219.74,243.82) ; SH13.1 140.82,245.47 139.74,244.39 v1(139.74,243.82) ; v1(223.6,243.82) 224.32,244.54 2SH15.1
  L16_POWER w0.203: 2SH8.1 196.87,196.88 198.56,198.57 198.56,204.8 v1(199.12,205.36) ; 2SH9.1 216.83,193.71 v1(217.85,194.73) ; SH8.1 112.66,227.2 120.74,219.12 120.74,206.98 v1(119.12,205.36) ; SH9.1 131.53,221.63 130.95,221.05 130.95,213.46 SITE1.G6
  L18_POWER w0.203: SH2.1 97.05,204.25 98.09,203.2 109.68,203.2 111.59,205.12 111.59,205.73 v1(111.98,206.12) ; v1(105.68,209.59) 104.86,208.77 100.28,208.77 99.28,209.77 SH4.1 ; v1(188.99,205.89) 188.93,205.83 2SH2.1 ; 2SH4.1 185.2,209.11 v1(185.68,209.59)
  L20_SIGNAL w0.203: v1(232.68,204.47) 232.12,205.03 226.4,205.03 220.47,199.1 220.47,196.56 221.37,195.66 2SH21.1 ; SH19.1 111.82,134.41 v1(110.76,133.35) ; v1(207.28,133.35) 207.11,133.18 2SH19.1 ; v1(139.12,194.73) 138.46,195.39 138.46,196.96 138.07,197.36 136.92,197.36 136.63,197.07 SH21.1
  BOTTOM w0.381: UNK2CC26.2 v1(209.21,235.56) ; UNK2CC9.2 v1(185.91,216.66) ; UNK2CC32.2 v1(217.85,194.73) ; CC34.2 v1(105.91,213.41) CD19.2 ; CC40.2 v1(147.73,215.18) CD15.2 ; UNK2CC34.2 v1(185.91,213.41) UNK2CD19.2 ; UNK2CC7.2 v1(227.73,212.64) ; CC30.2 v1(127.43,235.56) ; CC32.2 v1(137.85,194.73) ; CC1.2 v1(113.47,194.73) ; UNK2CC16.2 v1(227.73,219.5) UNK2CC28.2 ; CC16.2 v1(147.73,219.5) CC28.2 ; CC26.2 v1(129.21,235.56) ; CC6.2 v1(125.66,194.73) ; UNK2CC1.2 v1(193.47,194.73) ; UNK2CC40.2 v1(227.73,215.18) UNK2CD15.2 ; UNK2CC11.2 v1(206.55,194.73) ; UNK2CC19.2 v1(208.32,235.56) ; UNK2CC37.2 v1(185.91,223.69) UNK2CD24.2 ; UNK2CC4.2 v1(204.77,194.73) ; CC4.2 v1(124.77,194.73) ; CC31.2 v1(147.73,213.91) ; UNK2CC22.2 v1(206.54,235.56) ; UNK2CC30.2 v1(207.43,235.56) ; UNK2CC13.2 v1(212.26,194.73) ; CC7.2 v1(147.73,212.64) ; CC11.2 v1(126.55,194.73) ; UNK2CC33.2 v1(185.91,217.93) ; UNK2CD11.2 v1(215.14,235.56) UNK2CC27.2 ; UNK2CC8.2 v1(219.12,194.73) ; CC22.2 v1(126.54,235.56) ; CC36.2 v1(130.1,235.56) ; UNK2CC6.2 v1(205.66,194.73) ; UNK2CC17.2 v1(203.06,235.56) UNK2CD12.2 ; CC13.2 v1(132.26,194.73) ; CD12.2 v1(123.06,235.56) CC17.2 ; UNK2CC31.2 v1(227.73,213.91) ; CC35.2 v1(147.73,211.37) ; CC33.2 v1(105.91,217.93) ; CC9.2 v1(105.91,216.66) ; CD25.2 v1(105.91,219.2) CC39.2 ; UNK2CC35.2 v1(227.73,211.37) ; UNK2CC39.2 v1(185.91,219.2) UNK2CD25.2 ; CC27.2 v1(135.14,235.56) CD11.2 ; CD24.2 v1(105.91,223.69) CC37.2 ; CC19.2 v1(128.32,235.56) ; UNK2CC36.2 v1(210.1,235.56) ; CC8.2 v1(139.12,194.73)